# KiCad board gpu-external-power-supply.kicad_pcb (continued)
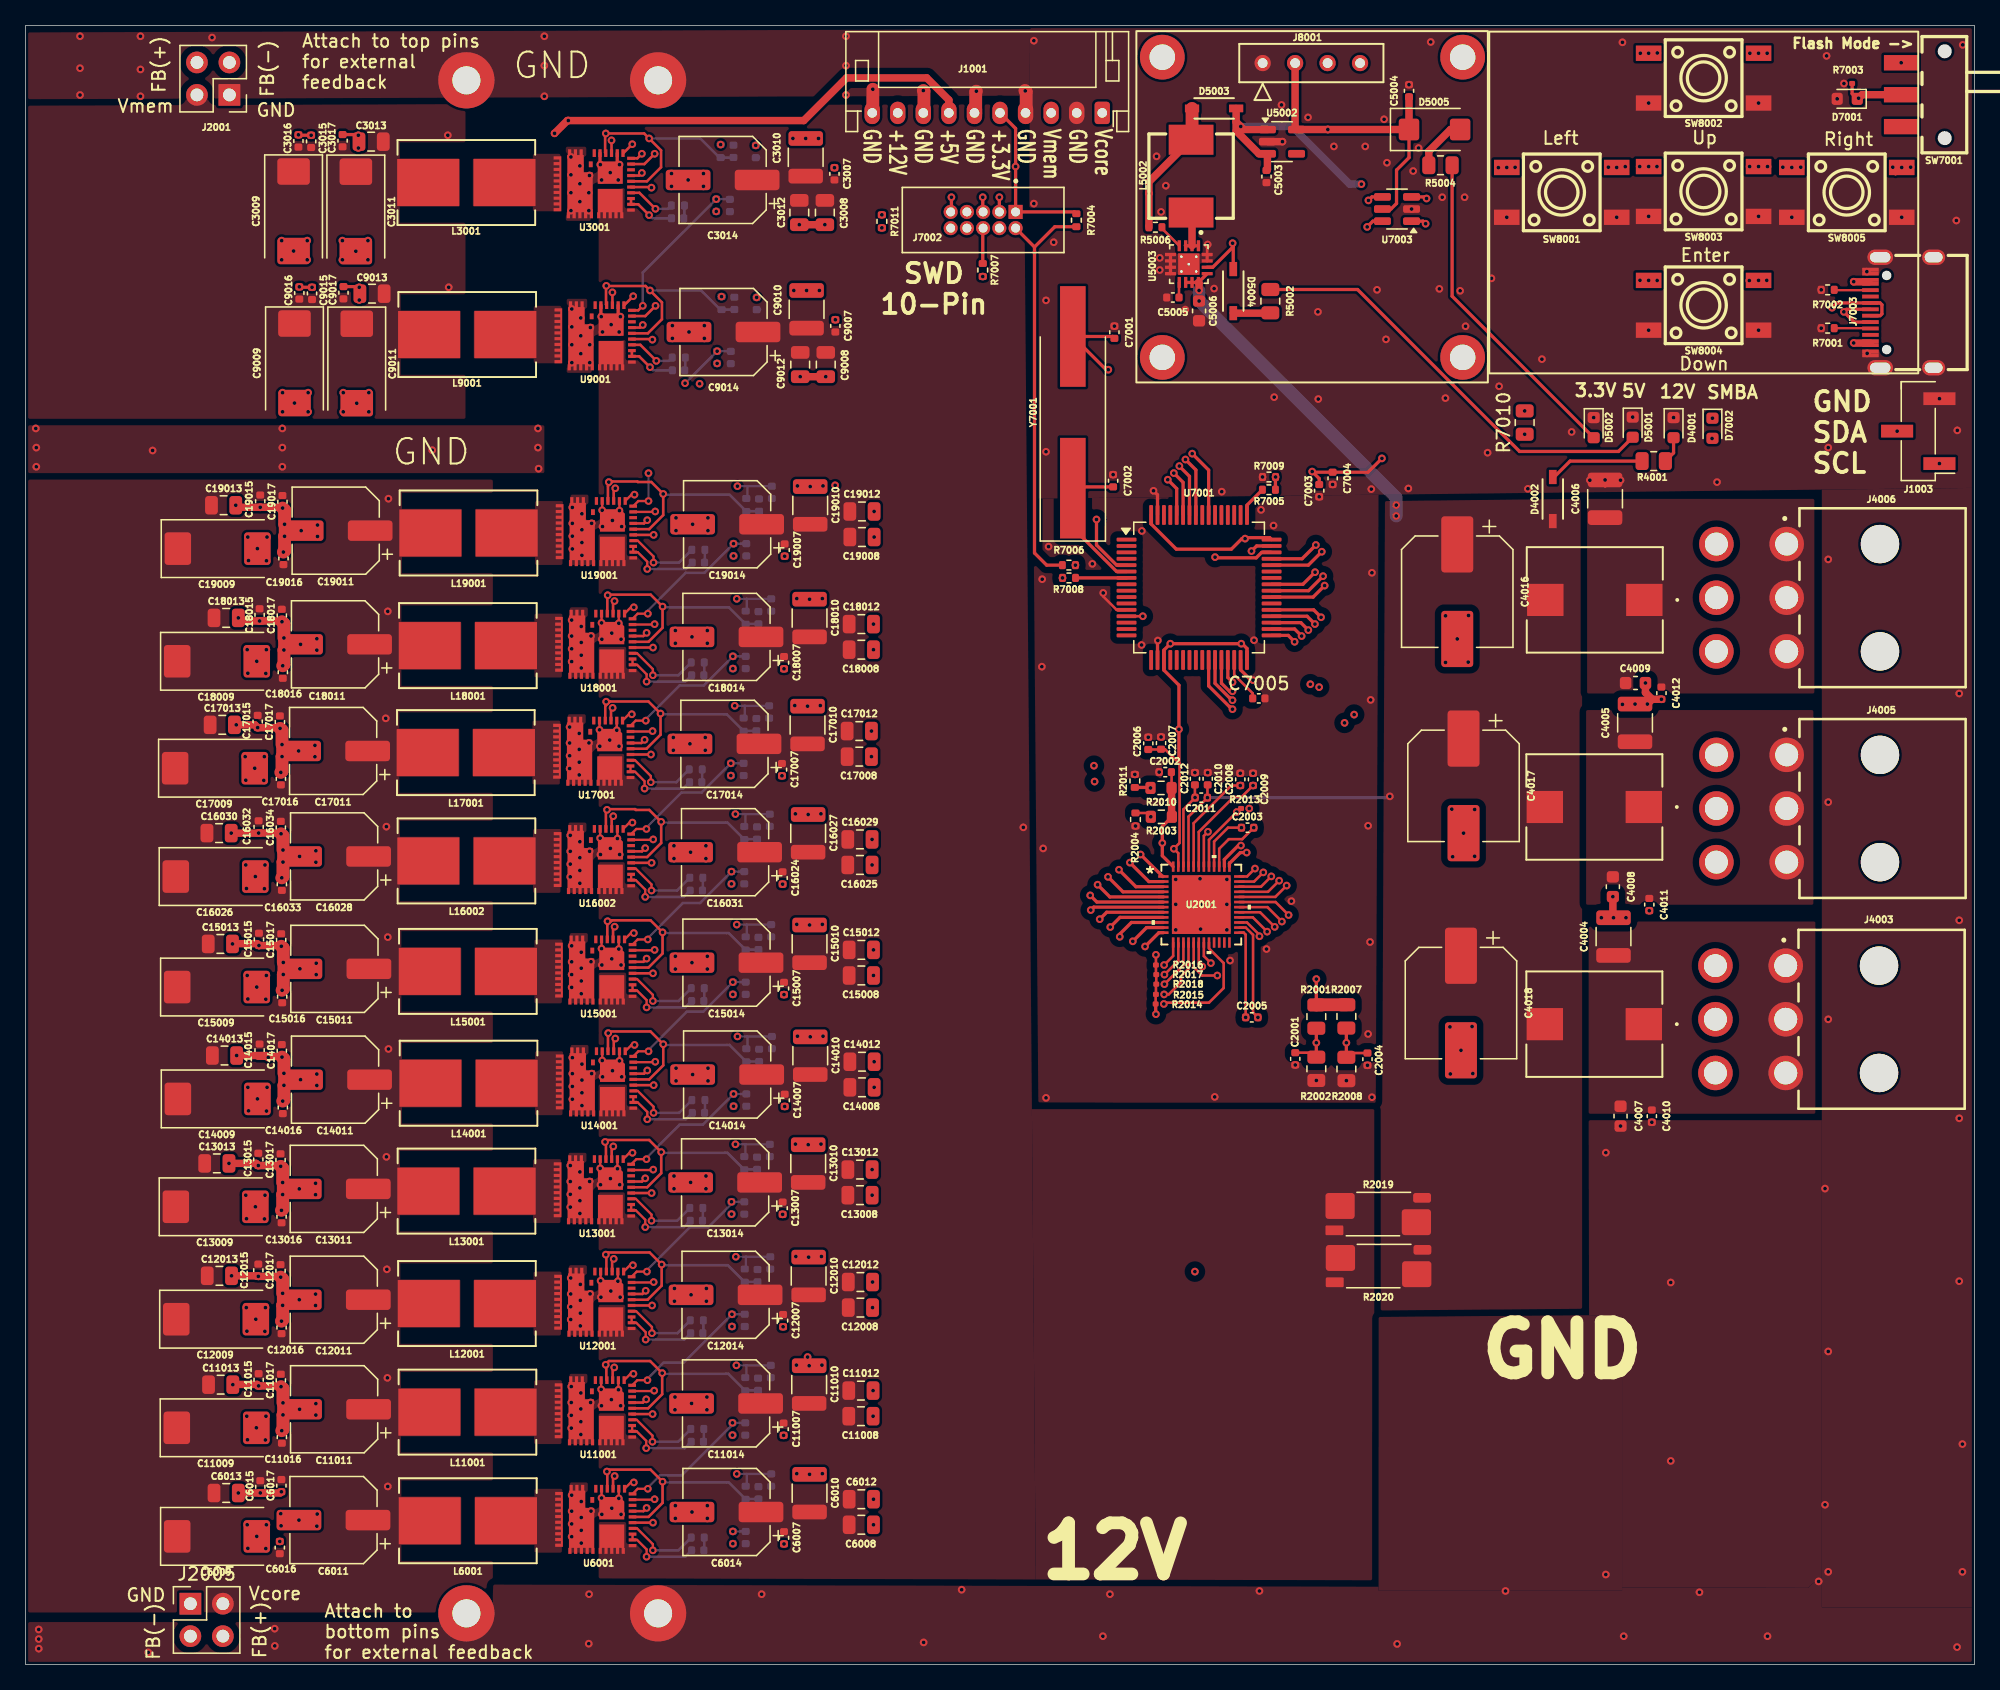
[diagram p0: board, top side]
## Routing (per net, layer and track width the routed paths; a pad name or vN(x,y) marks a point on that pad's centre or on a via; arc(x,y) is an arc through that point) (continued)
Net-(U18001-BOOT): length 6
  Top w0.18: U18001.33 47.84,79.15 49.08,77.91 v1(49.08,77.43)
  Bottom w0.2: 52.08,78.43 51.08,77.43 v1(49.08,77.43)
Net-(U18001-VCC): length 14.4
  Top w0.2: U18001.3 45.96,83.12 v1(46.08,83.24)
  In4.Cu w0.18: v1(55.65,83.41) 55.57,83.34 46.18,83.34 v1(46.08,83.24)
  Bottom w0.18: v1(55.65,83.41) 56.43,83.41 56.43,83.41 ; 56.43,83.41 56.43,82.54 R18001.2 ; 56.43,83.41 C18004.1
Net-(U19001-BOOT): length 6
  Top w0.18: U19001.33 47.89,87.97 49.13,86.73 v1(49.13,86.25)
  Bottom w0.2: v1(49.13,86.25) 51.13,86.25 R19002.1
Net-(U19001-VCC): length 14.4
  Top w0.2: U19001.3 46.02,91.94 v1(46.14,92.07)
  In4.Cu w0.18: v1(55.7,92.23) 55.62,92.16 46.23,92.16 v1(46.14,92.07)
  Bottom w0.18: v1(55.7,92.23) 56.48,92.23 56.48,92.23 ; 56.48,92.23 C19004.1 ; 56.48,92.23 56.48,91.36 R19001.2

## Copper pours and planes (outline as drawn; the poured copper is in the pictures)
+3.3V on Bottom: 71.57,38.79 71.57,7.04 127.45,7.04 127.45,38.79
/+12V on Top: 105.86,93.33 105.86,27.2 121.78,27.29 121.78,93.78
GND on Top: 42.34,106.9 42.34,101.1 44.64,101.1 44.64,103.8 46.94,103.8 46.94,105.9 46.54,105.9 46.54,106.8 46.14,106.8 46.14,105.9 45.24,105.9 45.24,106.8 44.84,106.8 44.84,105.9 43.94,105.9 43.94,106.9
GND on Top: -0.08,122.52 -0.01,127.75 79.09,128 79.09,122.8
GND on Top: 42.56,22.75 42.56,17.25 44.56,17.25 44.56,19.75 47.06,19.75 47.06,21.75 46.56,21.75 46.56,22.75 46.06,22.75 46.06,21.75 45.56,21.75 45.56,22.75 44.56,22.75 44.56,20.75 44.06,20.75 44.06,22.75
GND on Top: 42.48,40.05 42.48,34.55 44.48,34.55 44.48,37.05 46.98,37.05 46.98,39.05 46.48,39.05 46.48,40.05 45.98,40.05 45.98,39.05 45.48,39.05 45.48,40.05 44.48,40.05 44.48,38.05 43.98,38.05 43.98,40.05
GND on Top: 122.3,42.6 122.37,5.77 145.23,5.77 145.23,42.6
GND on Top: 42.52,31.25 42.52,25.75 44.52,25.75 44.52,28.25 47.02,28.25 47.02,30.25 46.52,30.25 46.52,31.25 46.02,31.25 46.02,30.25 45.52,30.25 45.52,31.25 44.52,31.25 44.52,29.25 44.02,29.25 44.02,31.25
GND on Top: 42.59,82.75 42.59,77.25 44.59,77.25 44.59,79.75 47.09,79.75 47.09,81.75 46.59,81.75 46.59,82.75 46.09,82.75 46.09,81.75 45.59,81.75 45.59,82.75 44.59,82.75 44.59,80.75 44.09,80.75 44.09,82.75
GND on Top: 42.59,14.25 42.59,8.75 44.59,8.75 44.59,11.25 47.09,11.25 47.09,13.25 46.59,13.25 46.59,14.25 46.09,14.25 46.09,13.25 45.59,13.25 45.59,14.25 44.59,14.25 44.59,12.25 44.09,12.25 44.09,14.25
GND on Top: 42.64,91.57 42.64,86.07 44.64,86.07 44.64,88.57 47.14,88.57 47.14,90.57 46.64,90.57 46.64,91.57 46.14,91.57 46.14,90.57 45.64,90.57 45.64,91.57 44.64,91.57 44.64,89.57 44.14,89.57 44.14,91.57
GND on Top: 42.27,118.8 42.27,113 44.57,113 44.57,115.7 46.87,115.7 46.87,117.8 46.47,117.8 46.47,118.7 46.07,118.7 46.07,117.8 45.17,117.8 45.17,118.7 44.77,118.7 44.77,117.8 43.87,117.8 43.87,118.8
GND on Top: 114.34,128.3 78.59,128.4 78.44,91.25 152.64,92.1 152.39,128.55
GND on Top: 0.06,3.32 0.06,0 153.69,-0.1 153.69,6.65 141.09,6.75 140.34,6.72 139.58,6.14 139.6,6.13 139.47,6 36.59,6.25 36.56,5.47 36.56,3.32
GND on Top: -0.16,97 -0.16,93.25 40.59,93.25 40.59,97
GND on Top: 42.59,57.25 42.59,51.75 44.59,51.75 44.59,54.25 47.09,54.25 47.09,56.25 46.59,56.25 46.59,57.25 46.09,57.25 46.09,56.25 45.59,56.25 45.59,57.25 44.59,57.25 44.59,55.25 44.09,55.25 44.09,57.25
GND on Top: 42.43,74.38 42.43,68.88 44.43,68.88 44.43,71.38 46.93,71.38 46.93,73.38 46.43,73.38 46.43,74.38 45.93,74.38 45.93,73.38 45.43,73.38 45.43,74.38 44.43,74.38 44.43,72.38 43.93,72.38 43.93,74.38
GND on Top: 78.54,93.25 78.94,44 105.64,43.9 105.86,93.33
GND on Top: 42.48,65.9 42.48,60.4 44.48,60.4 44.48,62.9 46.98,62.9 46.98,64.9 46.48,64.9 46.48,65.9 45.98,65.9 45.98,64.9 45.48,64.9 45.48,65.9 44.48,65.9 44.48,63.9 43.98,63.9 43.98,65.9
GND on Top: 42.64,48.49 42.64,42.99 44.64,42.99 44.64,45.49 47.14,45.49 47.14,47.49 46.64,47.49 46.64,48.49 46.14,48.49 46.14,47.49 45.64,47.49 45.64,48.49 44.64,48.49 44.64,46.49 44.14,46.49 44.14,48.49
GND on Top: 105.86,27.2 124.91,27.36 124.91,5.77 105.86,5.77
GND on Top: 152.54,4.46 152.54,95.5 152.29,95.75 140.54,95.75 140.54,4.46
GND on Bottom, In1.Cu, In3.Cu: 0.02,127.8 -0.04,0 152.49,0 152.44,127.88
/VRM Controller/CSNIN on Top: 44.84,6.57 44.84,122.05 78.09,122.12 79.04,6.54
/VRM Controller/CSNIN on Top: 105.52,43.47 105.52,6.47 72.09,6.47 71.73,43.47
Vcore on Top: 0.06,93.32 0.06,4.07 36.56,4.07 36.56,93.32
Vmem on Top: -0.08,122.52 -0.08,97.27 34.42,97.27 34.42,122.52
Net-(C4004-Pad1) on Top: 140.08,58.16 122.3,58.16 122.3,42.92 140.08,42.92
Net-(C4005-Pad1) on Top: 139.87,74.71 122.09,74.71 122.09,59.47 139.87,59.47
Net-(C4006-Pad1) on Top: 139.95,91.24 122.17,91.24 122.17,76 139.95,76
Net-(U3001-VSWH) on Top: 41.97,118.25 34.97,118.25 34.97,113.75 41.97,113.75
Net-(U6001-VSWH) on Top: 35.09,13.75 42.09,13.75 42.09,8.75 35.09,8.75
Net-(U9001-VSWH) on Top: 42.04,106.35 35.04,106.35 35.04,101.85 42.04,101.85
Net-(U11001-VSWH) on Top: 35.06,22.25 42.06,22.25 42.06,17.25 35.06,17.25
Net-(U12001-VSWH) on Top: 35.02,30.75 42.02,30.75 42.02,25.75 35.02,25.75
Net-(U13001-VSWH) on Top: 34.98,39.55 41.98,39.55 41.98,34.55 34.98,34.55
Net-(U14001-VSWH) on Top: 35.14,47.99 42.14,47.99 42.14,42.99 35.14,42.99
Net-(U15001-VSWH) on Top: 35.09,56.75 42.09,56.75 42.09,51.75 35.09,51.75
Net-(U16002-VSWH) on Top: 34.98,65.4 41.98,65.4 41.98,60.4 34.98,60.4
Net-(U17001-VSWH) on Top: 34.93,73.88 41.93,73.88 41.93,68.88 34.93,68.88
Net-(U18001-VSWH) on Top: 35.09,82.25 42.09,82.25 42.09,77.25 35.09,77.25
Net-(U19001-VSWH) on Top: 35.14,91.07 42.14,91.07 42.14,86.07 35.14,86.07

## Text on the board
B.Silkscreen: JLCJLCJLCJLC | Designed By: / Alex Carroll / Ayden Murphy-Kirsch / Garret Stefanick | 3.3V | GND
F.Silkscreen: Flash Mode -> | Vcore / GND / Vmem / GND / +3.3V / GND / +5V / GND / +12V / GND | FB(-) | FB(+) | Vmem | GND | Vcore | Attach to top pins / for external / feedback | Attach to / bottom pins / for external feedback | Left | Down | Enter | Up | Right | 3.3V | 5V | 12V | SMBA | GND / SDA / SCL | SWD / 10-Pin
